# Altium PCB CCZynq.PcbDoc (part 1 of 5) (continued)
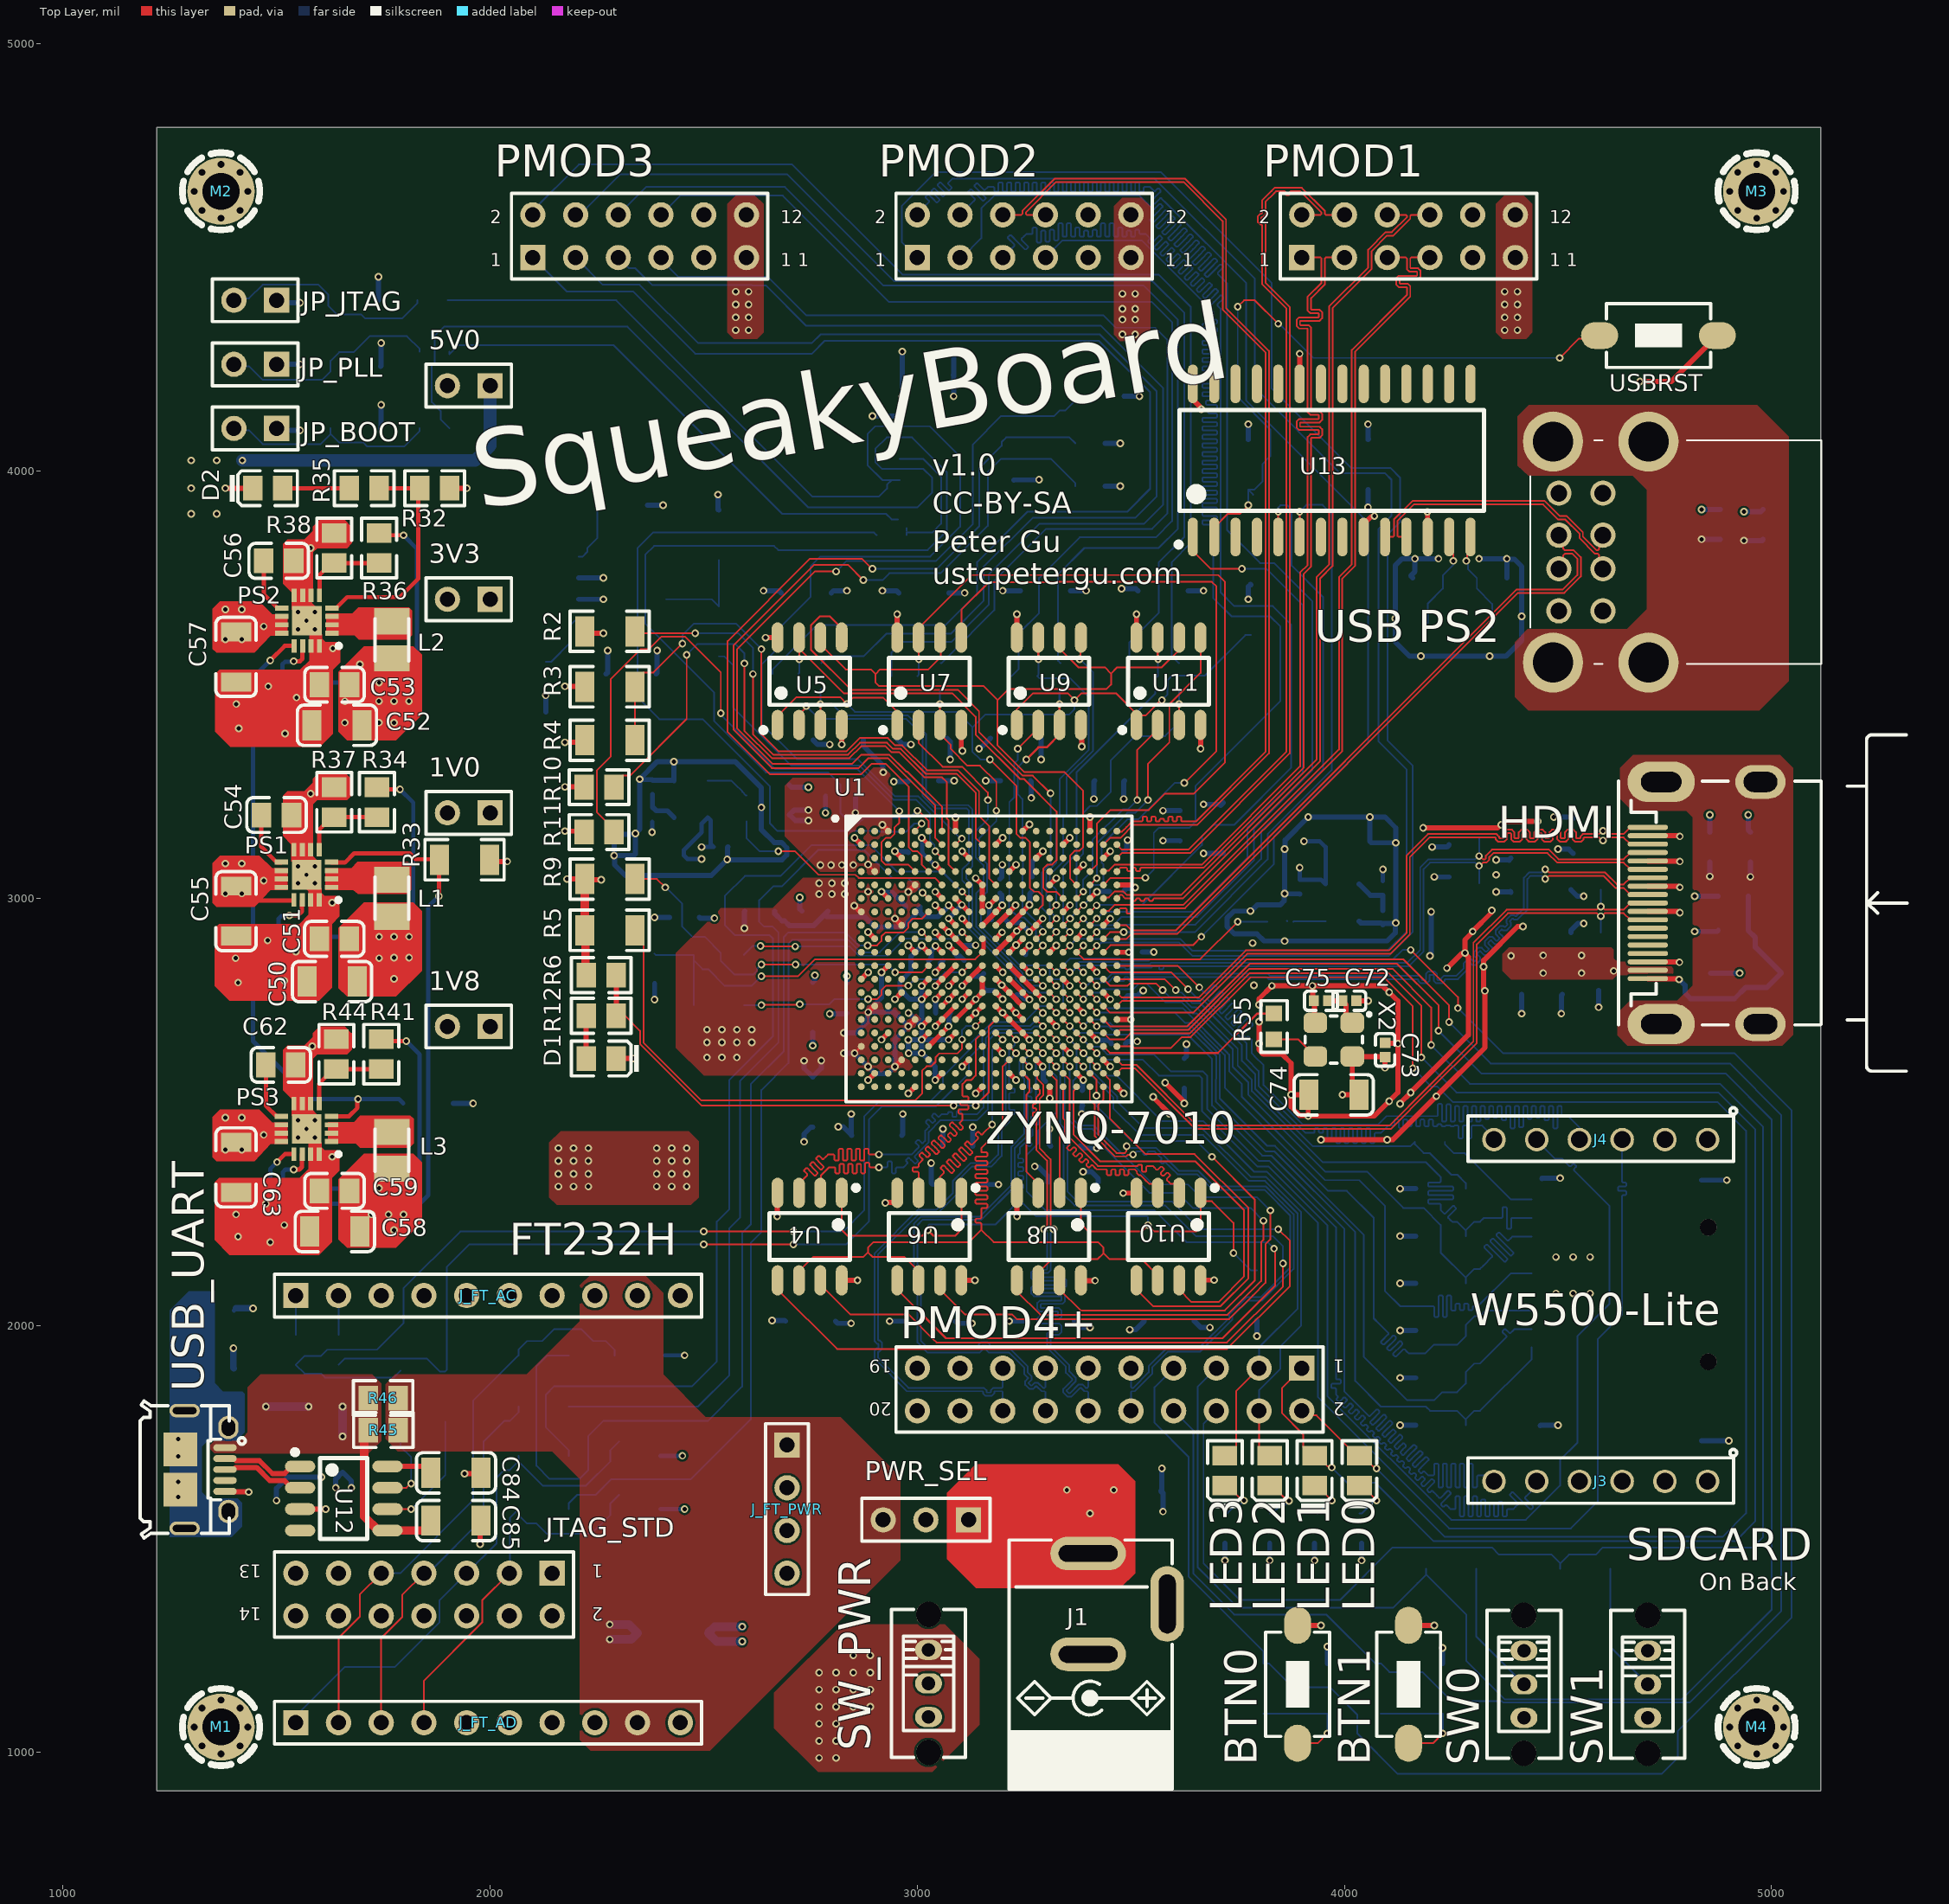
[diagram p0: Top Layer view]
## Footprints (in the part's own frame and the unit in brackets; to place one, negate y for a bottom-side part, rotate by r counter-clockwise, add the part's x,y. Pads: shape width x height; smd on the part's side, far side on the other; paste and mask are expansions set on the pad) (continued)
  silkscreen extent -365,-335 335,335, body extent -335,-335 335,335, height 63
HDMI_A [mm] "CONN, HDMI, TYPE A, 19PIN"
  oval 0.3x2.4 smd mask+0.025: 1(-4.5,0) 2(-4,0) 3(-3.5,0) 4(-3,0) 5(-2.5,0) 6(-2,0) 7(-1.5,0) 8(-1,0) 9(-0.5,0) 10(0,0) 11(0.5,0) 12(1,0) 13(1.5,0) 14(2,0) 15(2.5,0) 16(3,0) 17(3.5,0) 18(4,0) 19(4.5,0)
  oval 2.4x4 hole 1.2 slot 2.4 at 90 deg: SH1(-7.2,0.8) SH2(7.2,0.8)
  oval 2x3 hole 1.2 slot 2 at 90 deg: SH3(-7.2,6.7) SH4(7.2,6.7)
  silkscreen extent -10,-1.74 10,15.41, body extent -7.5,-0.75 7.5,11.4, height 6.17
HDR1X2 [mm] "Connector; Header; 2 Position"
  rect 1.5x1.5 hole 0.9: 1(0,0)
  round 1.5 hole 0.9: 2(2.54,0)
  silkscreen extent -1.27,-1.27 3.81,1.27
HDR1X3 [mm] "Connector; Header; 3 Position"
  rect 1.5x1.5 hole 0.9: 1(0,0)
  round 1.5 hole 0.9: 2(2.54,0) 3(5.08,0)
  silkscreen extent -1.27,-1.27 6.35,1.27
HDR1X4 [mm] "Connector; Header; 4 Position"
  rect 1.5x1.5 hole 0.9: 1(0,0)
  round 1.5 hole 0.9: 2(2.54,0) 3(5.08,0) 4(7.62,0)
  silkscreen extent -1.27,-1.27 8.89,1.27
HDR1X10 [mm] "Connector; Header; 10 Position"
  rect 1.5x1.5 hole 0.9: 1(0,0)
  round 1.5 hole 0.9: 2(2.54,0) 3(5.08,0) 4(7.62,0) 5(10.16,0) 6(12.7,0) 7(15.24,0) 8(17.78,0) 9(20.32,0) 10(22.86,0)
  silkscreen extent -1.27,-1.27 24.13,1.27
HDR2X6 [mm] "Connector; Header; 6x2 Position"
  rect 1.5x1.5 hole 0.9: 1(0,0)
  round 1.5 hole 0.9: 2(0,2.54) 3(2.54,0) 4(2.54,2.54) 5(5.08,0) 6(5.08,2.54) 7(7.62,0) 8(7.62,2.54) 9(10.16,0) 10(10.16,2.54) 11(12.7,0) 12(12.7,2.54)
  silkscreen extent -1.27,-1.27 13.97,3.81
HDR2X7 [mm] "Connector; Header; 7x2 Position"
  rect 1.5x1.5 hole 0.9: 1(0,0)
  round 1.5 hole 0.9: 2(0,2.54) 3(2.54,0) 4(2.54,2.54) 5(5.08,0) 6(5.08,2.54) 7(7.62,0) 8(7.62,2.54) 9(10.16,0) 10(10.16,2.54) 11(12.7,0) 12(12.7,2.54) 13(15.24,0) 14(15.24,2.54)
  silkscreen extent -1.27,-1.27 16.51,3.81
HDR2X10 [mm] "Connector; Header; 10x2 Position"
  rect 1.5x1.5 hole 0.9: 1(0,0)
  round 1.5 hole 0.9: 2(0,2.54) 3(2.54,0) 4(2.54,2.54) 5(5.08,0) 6(5.08,2.54) 7(7.62,0) 8(7.62,2.54) 9(10.16,0) 10(10.16,2.54) 11(12.7,0) 12(12.7,2.54) 13(15.24,0) 14(15.24,2.54) 15(17.78,0) 16(17.78,2.54) 17(20.32,0) 18(20.32,2.54) 19(22.86,0) 20(22.86,2.54)
  silkscreen extent -1.27,-1.27 24.13,3.81
HDR_F_1X6 [mm] "HEADER FEMALE pitch: 2.54mm"
  round 1.4 / inner round 1.4 / far side oval 1.4x2.2 hole 1 mask+0.1: 1(-6.35,0) 2(-3.81,0) 3(-1.27,0) 4(1.27,0) 5(3.81,0) 6(6.35,0)
  silkscreen extent -8.08,-1.9 7.9,1.3, body extent -7.74,-1.3 7.75,1.2, height 8.5
INDPM2520X120N [mm]
  rect 1.55x2.1 smd: 1(-1.1,0) 2(1.1,0)
  silkscreen extent -1.25,-1 1.25,1, body extent -1.25,-1 1.25,1, height 1.2
JAC_PWR2MM [mm] "Power Jack KLDX-0202"
  oval 4.5x2 hole 1 slot 3.5 at 0 deg: 1(0,0) 2(0,6)
  oval 2x4.5 hole 1 slot 3.5 at 90 deg: 3(-4.7,3)
  silkscreen extent -5,-0.8 4.7,14, body extent -4.9,-0.65 4.5,13.85, height 10.8
QFN50P300X300X100-17N-D [mm]
  rect 0.8x0.3 smd: 1(-1.5,0.75) 2(-1.5,0.25) 3(-1.5,-0.25) 4(-1.5,-0.75) 9(1.5,-0.75) 10(1.5,-0.25) 11(1.5,0.25) 12(1.5,0.75)
  rect 0.3x0.8 smd: 5(-0.75,-1.5) 6(-0.25,-1.5) 7(0.25,-1.5) 8(0.75,-1.5) 13(0.75,1.5) 14(0.25,1.5) 15(-0.25,1.5) 16(-0.75,1.5)
  rect 1.75x1.75 smd: 17(0,0)
  silkscreen extent -2.02,1.38 -1.78,1.62, body extent -1.55,-1.55 1.55,1.55, height 1
SCMH_M2 [mm] "SCREW mouting, M2, 2.0mm diameter and 4.0mm PanHead"
  round 4 / inner round 2.5 / far side round 4 hole 2.2 mask+0.1: 1(0,0)
  Top Layer pour cut-out: 0,2.5 -0.957,2.31 -1.768,1.768 -2.31,0.957 -2.5,0 -2.5,0 -2.31,-0.957 -1.768,-1.768 -0.957,-2.31 0,-2.5 0,-2.5 1.25,-2.165 2.165,-1.25 2.5,0 2.5,0 2.31,0.957 1.768,1.768 0.957,2.31 0,2.5
  Bottom Layer pour cut-out: 0,2.5 -0.957,2.31 -1.768,1.768 -2.31,0.957 -2.5,0 -2.5,0 -2.31,-0.957 -1.768,-1.768 -0.957,-2.31 0,-2.5 0,-2.5 1.25,-2.165 2.165,-1.25 2.5,0 2.5,0 2.31,0.957 1.768,1.768 0.957,2.31 0,2.5
  silkscreen extent -2.3,-2.3 2.3,2.3
SDMICRO_AT [mm] "SDMICRO exist on Iran, Attend 112J-TDAR-R01, push-push"
  oval 0.7x1.6 smd: 1(-2.2,-5.25) 2(-1.1,-5.25) 3(0,-5.25) 4(1.1,-5.25) 5(2.2,-5.25) 6(3.3,-5.25) 7(4.4,-5.25) 8(5.5,-5.25) 9(6.6,-5.25)
  rect 1.2x1.4 smd: SH1(7.85,-4.65)
  rect 1.2x2.2 smd: SH2(7.75,4.85) SH3(-7.75,4.85)
  rect 1.6x1.2 smd: SH4(-6.85,-4.75)
  round 1 hole 1 unplated: ""(-3.05,5.25) ""(4.95,5.25)
  silkscreen extent -7.3,-5.3 7.5,15.52, body extent -8,-5.7 8.1,13.82, height 1.85
SMA(DO-214AC)_S1 [mm]
  rect 2x2 smd: 1(2.1,0) 2(-2.1,0)
  silkscreen extent -2.35,-1.5 2.35,1.5
SMD-5032_2P [mm]
  rect 1.9x2.4 smd: 1(-2.05,0) 2(2.05,0)
  silkscreen extent -3.33,-1.6 3.33,1.6
SOIC-8_150mil [mm]
  oval 0.7x1.8 smd: 1(-1.905,-2.6) 2(-0.635,-2.6) 3(0.635,-2.6) 4(1.905,-2.6) 5(1.905,2.6) 6(0.635,2.6) 7(-0.635,2.6) 8(-1.905,2.6)
  silkscreen extent -2.9,-3.05 2.4,1.4
SOIC-8_208mil [mm]
  oval 0.7x2.2 smd: 1(-1.905,-3.4) 2(-0.635,-3.4) 3(0.635,-3.4) 4(1.905,-3.4) 5(1.905,3.4) 6(0.635,3.4) 7(-0.635,3.4) 8(-1.905,3.4)
  silkscreen extent -2.95,-3.9 2.5,1.9
SOIC-28_300mil [mm]
  oval 0.6x2.3 smd: 1(-8.255,-4.55) 2(-6.985,-4.55) 3(-5.715,-4.55) 4(-4.445,-4.55) 5(-3.175,-4.55) 6(-1.905,-4.55) 7(-0.635,-4.55) 8(0.635,-4.55) 9(1.905,-4.55) 10(3.175,-4.55) 11(4.445,-4.55) 12(5.715,-4.55) 13(6.985,-4.55) 14(8.255,-4.55) 15(8.255,4.55) 16(6.985,4.55) 17(5.715,4.55) 18(4.445,4.55) 19(3.175,4.55) 20(1.905,4.55) 21(0.635,4.55) 22(-0.635,4.55) 23(-1.905,4.55) 24(-3.175,4.55) 25(-4.445,4.55) 26(-5.715,4.55) 27(-6.985,4.55) 28(-8.255,4.55)
  silkscreen extent -9.25,-5.15 9.05,3
SWPBS_SPST_6X3X5 [mm] "SWITCH, PUSHBUTTON, SMD, SPST, 6X3.5mm, SKQMBBE010, 50000 Cycles, 1.57N Force"
  oval 2.2x1.6 smd mask+0.1: 1(-3.5,0) 2(3.5,0)
  silkscreen extent -3.1,-1.9 3.1,1.9, body extent -3.65,-1.75 3.65,1.75, height 5
SWSLIDT_SPDT_S_8X4 [mm] "Switch, Slide, SPDT, Straight, THD, 8.6X4.3mm"
  oval 1.2x1.6 hole 0.8: 1(-2,0) 2(0,0) 3(2,0)
  round 1.5 hole 1.5 unplated: ""(-4.1,0) ""(4.1,0)
  silkscreen extent -4.4,-2.2 4.4,2.2, body extent -4.3,-2.15 4.3,2.15, height 8.8
USB_MICRO_B_BM_SHT1 [mm] "CONN, USB Micro AB - Standard (Bottom mount), Shell through hole"
  oval 0.4x1.4 smd: 1(1.3,-1.2) 2(0.65,-1.2) 3(0,-1.2) 4(-0.65,-1.2) 5(-1.3,-1.2)
  oval 0.8x1.8 hole 0.4 slot 1.4 at 90 deg: SH2(-3.5,1.2) SH5(3.5,1.2)
  rect 2x2 smd: SH3(-1.2,1.45) SH4(1.2,1.45)
  oval 1.4x1.2 hole 0.8 slot 1 at 0 deg mask+0.05: SH7(-2.5,-1.4) SH8(2.5,-1.4)
  silkscreen extent -4.08,-2.4 4.08,3.85, body extent -4.1,-1.65 4.1,3.78, height 2.68
XTL_4_3225 [mm] "CRYSTAL OSCILATOR 3.2X2.5mm, ABM8, CDFN-4"
  rrect50% 1.2x1.4 smd: 1(-1,1.1) 2(-1,-1.1) 3(1,-1.1) 4(1,1.1)
  Top Layer pour cut-out: -1.6,1.8 -1.6,-1.8 1.6,-1.8 1.6,1.8
  silkscreen extent -1.6,-1.7 1.4,2.2, body extent -1.25,-1.6 1.25,1.6, height 0.61

## Part data
1V0 1V8 3V3 5V0 JP_BOOT JP_JTAG JP_PLL: "Header, 2-Pin", LatestRevisionDate=17-Jul-2002, LatestRevisionNote="Re-released for DXP Platform.", Publisher="Altium Limited"
BTN0 BTN1 USBRST: library part SWPBS_SPST_6X3X4, "SWITCH, PUSH BUTTON, TACTILE, SMD, SPST, 6X3.5X4.3mm", ASSEMBLY=ASSEMBLY, DESC=DESCRIPTION, MANF=Panasonic, MANF_P#=EVQ-PNF04M, PARAM=PARAM, PRICE=PRICE
C1 C11 C12 C19 C20 C25 C26 C27 C40 C55 C57 C60 C63: library part "1206 10uF (106) 10% 50V", "贴片电容", Package=1206, SuppliersPartNumber=C13585, ComponentLink1Description=供应, ComponentLink1URL=http://www.szlcsc.com/product/details_14236.html, Supplier=LC
C2 C3 C10 C13 C18 C21 C24 C28 C29 C38 C39: library part "0805 4.7uF (475) 10% 25V", "贴片电容", Package=0805, SuppliersPartNumber=C1779, ComponentLink1Description=供应, ComponentLink1URL=http://www.szlcsc.com/product/details_2131.html, Supplier=LC
C4 C5 C6 C7 C9 C14 C15 C16 C17 C22 C23 C30 C31 C32 C33 C34 C35 C36 C37 C41 C43 C44 C46 C72 C73 C75 C76 C77 C79: library part "0402 470nF (474) 10% 10V", "贴片电容", Package=0402, SuppliersPartNumber=C47339, ComponentLink1Description=供应, ComponentLink1URL=http://www.szlcsc.com/product/details_48344.html, Supplier=LC
C8 C45 C47 C48 C49 C50 C52 C58 C64 C65 C66 C67 C68 C69 C70 C71 C74 C78 C84 C85 C88 C89: library part "1206 100nF (104) 10% 50V", "贴片电容", Package=1206, SuppliersPartNumber=C24497, ComponentLink1Description=供应, ComponentLink1URL=http://www.szlcsc.com/product/details_25237.html, Supplier=LC
C42 C82: library part "0603 10uF (106) 10% 10V", "贴片电容", Package=0603, SuppliersPartNumber=C19702, ComponentLink1Description=供应, ComponentLink1URL=http://www.szlcsc.com/product/details_20411.html, Supplier=LC
C51 C53 C59: library part "0805 22uF (226) 20% 25V", "贴片电容", Package=0805, SuppliersPartNumber=C45783, ComponentLink1Description=供应, ComponentLink1URL=http://www.szlcsc.com/product/details_46786.html, Supplier=LC
C54 C56 C62: library part "0805 3.3nF (332) 10% 50V", "贴片电容", Package=0805, SuppliersPartNumber=C53175, ComponentLink1Description=供应, ComponentLink1URL=http://www.szlcsc.com/product/details_54191.html, Supplier=LC
C61 C80 C81 C83: library part "0805 1nF (102) 10% 50V", "贴片电容", Package=0805, SuppliersPartNumber=C51210, ComponentLink1Description=供应, ComponentLink1URL=http://www.szlcsc.com/product/details_52223.html, Supplier=LC
C86 C87: library part "0805 20pF (200) 5% 50V", "贴片电容", Package=0805, SuppliersPartNumber=C1798, ComponentLink1Description=供应, ComponentLink1URL=http://www.szlcsc.com/product/details_2150.html, Supplier=LC
D1 D2 LED0 LED1 LED2 LED3: library part "0805 翠绿", "发光二极管", Package=0805, SuppliersPartNumber=C2297, ComponentLink1Description=供应, ComponentLink1URL=http://www.szlcsc.com/product/details_2670.html, Supplier=LC
D3 D4 D5 D10: library part "SMA(DO-214AC) SS210", "二极管 TVS", Package=SMA(DO-214AC), SuppliersPartNumber=C14996, ComponentLink1Description=供应, ComponentLink1URL=http://www.szlcsc.com/product/details_15669.html, Supplier=LC
FB1 FB2 FB3: library part "0805 600Ω 25% 100MHz", "贴片磁珠", Package=0805, SuppliersPartNumber=C1017, ComponentLink1Description=供应, ComponentLink1URL=http://www.szlcsc.com/product/details_1369.html, Supplier=LC
HDMI: library part CONN_HDMI_A, "CONN, HDMI, Receptacle, TYPE A, 19P, RIGH-ANGLE", MANF="Molex, WURTH", MANF_P#="47151-0001, 500254-1927, 685119134923", PARAM="Receptacle, 19P, RIGH-ANGLE", PRICE=2.57$
J1: library part CONN_PWR_JACK2MM, "CONN, PWR JACK DC, PLUG DIAM 2.0MM RA THD", MANF="CUI STACK", MANF_P#="PJ-202A, PJ-002AH, PJ-102AH, KLDX-0202"
J2: library part SOCKET_SDMICRO_AT, "SD MICRO exist in Iran, Attend 112J-TDAR-R01", MANF=Attend, MANF_P#=112J-TDAR-R01
J3 J4: library part HDR_F_1X6, "CONN, HEADER, Female, pitch: 2.54mm, 6POS"
J_FT_AC J_FT_AD: library part "Header 10", "Header, 10-Pin", LatestRevisionDate=17-Jul-2002, LatestRevisionNote="Re-released for DXP Platform.", Publisher="Altium Limited"
J_FT_PWR: library part "Header 4", "Header, 4-Pin", LatestRevisionDate=17-Jul-2002, LatestRevisionNote="Re-released for DXP Platform.", Publisher="Altium Limited"
JTAG_STD: library part "Header 7X2", "Header, 7-Pin, Dual row", LatestRevisionDate=17-Jul-2002, LatestRevisionNote="Re-released for DXP Platform.", Publisher="Altium Limited"
L1 L2 L3: "Inductor", Manufacturer_Name=Sumida, Manufacturer_Part_Number=252012CDMCDS‐2R2MC, Datasheet Link=https://products.sumida.com/products/pdf/252012CDMCDDS%20(en).pdf, Height=1.2mm
M1 M2 M3 M4: library part SCMH_M2, "SCREW mouting, M2, 2.0mm diameter and 4.0mm PanHead", ASSEMBLY=DNP
PMOD1 PMOD2 PMOD3: "Header, 6-Pin, Dual row", LatestRevisionDate=17-Jul-2002, LatestRevisionNote="Re-released for DXP Platform.", Publisher="Altium Limited"
PMOD4+: "Header, 10-Pin, Dual row", LatestRevisionDate=17-Jul-2002, LatestRevisionNote="Re-released for DXP Platform.", Publisher="Altium Limited"
PS1 PS2 PS3: "Power Supply", Manufacturer_Name="Texas Instruments", Mouser Part Number=595-TLV62130RGTR, Arrow Part Number=TLV62130RGTR, Arrow Price/Stock=https://www.arrow.com/en/products/tlv62130rgtr/texas-instruments, Datasheet Link=http://www.ti.com/lit/gpn/tlv62130, Height=1mm, Manufacturer_Part_Number=TLV62130RGTR, Mouser Price/Stock=https://www.mouser.co.uk/ProductDetail/Texas-Instruments/TLV62130RGTR?qs=2UFnnMkojnVB1OajUwDmow%3D%3D
PWR_SEL: library part "Header 3", "Header, 3-Pin", LatestRevisionDate=17-Jul-2002, LatestRevisionNote="Re-released for DXP Platform.", Publisher="Altium Limited"
R1 R55 R59: library part "0603 33Ω (33R0) 1%", "贴片电阻", Package=0603, SuppliersPartNumber=C23140, ComponentLink1Description=供应, ComponentLink1URL=http://www.szlcsc.com/product/details_23867.html, Supplier=LC
R2 R3 R4 R31 R60 R61 R62 R63 R64: library part "1206 100KΩ (1003) 1%", "贴片电阻", Package=1206, SuppliersPartNumber=C17900, ComponentLink1Description=供应, ComponentLink1URL=http://www.szlcsc.com/product/details_18588.html, Supplier=LC
R5 R9 R16 R17 R18 R27: library part "1206 4.7KΩ (4701) 1%", "贴片电阻", Package=1206, SuppliersPartNumber=C17936, ComponentLink1Description=供应, ComponentLink1URL=http://www.szlcsc.com/product/details_18624.html, Supplier=LC
R6 R12 R32 R35 R75 R76 R77 R78: library part "0805 330Ω (3300) 1%", "贴片电阻", Package=0805, SuppliersPartNumber=C17630, ComponentLink1Description=供应, ComponentLink1URL=http://www.szlcsc.com/product/details_18318.html, Supplier=LC
R7 R8 R10 R11 R14 R19 R22 R37: library part "0805 20KΩ (2002) 1%", "贴片电阻", Package=0805, SuppliersPartNumber=C4328, ComponentLink1Description=供应, ComponentLink1URL=http://www.szlcsc.com/product/details_4735.html, Supplier=LC
R13 R67 R79 R80 R81 R82 R83 R84 R85 R86: library part "0805 47Ω (47R0) 1%", "贴片电阻", Package=0805, SuppliersPartNumber=C17714, ComponentLink1Description=供应, ComponentLink1URL=http://www.szlcsc.com/product/details_18402.html, Supplier=LC
R15 R20 R23: library part "1206 1KΩ (1001) 1%", "贴片电阻", Package=1206, SuppliersPartNumber=C4410, ComponentLink1Description=供应, ComponentLink1URL=http://www.szlcsc.com/product/details_4817.html, Supplier=LC
R21 R24 R25 R26 R30 R65 R68: library part "1206 22Ω (22R0) 1%", "贴片电阻", Package=1206, SuppliersPartNumber=C17958, ComponentLink1Description=供应, ComponentLink1URL=http://www.szlcsc.com/product/details_18646.html, Supplier=LC
R28 R29 R33 R39 R47 R48 R66 R69 R70 R71 R72 R73 R74: library part "1206 10KΩ (1002) 1%", "贴片电阻", Package=1206, SuppliersPartNumber=C17902, ComponentLink1Description=供应, ComponentLink1URL=http://www.szlcsc.com/product/details_18590.html, Supplier=LC
R34: library part "0805 4.99KΩ (4991) 1%", "贴片电阻", Package=0805, SuppliersPartNumber=C17677, ComponentLink1Description=供应, ComponentLink1URL=http://www.szlcsc.com/product/details_18365.html, Supplier=LC
R36: library part "0805 56KΩ (5602) 1%", "贴片电阻 56.2k", Package=0805, SuppliersPartNumber=C17756, ComponentLink1Description=供应, ComponentLink1URL=http://www.szlcsc.com/product/details_18444.html, Supplier=LC
R38: library part "0805 18KΩ (1802) 1%", "贴片电阻", Package=0805, SuppliersPartNumber=C17506, ComponentLink1Description=供应, ComponentLink1URL=http://www.szlcsc.com/product/details_18194.html, Supplier=LC
R40 R49 R87 R88 R89: library part "0805 1MΩ (1004) 1%", "贴片电阻", Package=0805, SuppliersPartNumber=C17514, ComponentLink1Description=供应, ComponentLink1URL=http://www.szlcsc.com/product/details_18202.html, Supplier=LC
R41: library part "0805 18KΩ (1802) 1%", "贴片电阻 18.7k", Package=0805, SuppliersPartNumber=C17506, ComponentLink1Description=供应, ComponentLink1URL=http://www.szlcsc.com/product/details_18194.html, Supplier=LC
R42 R43 R45 R46: library part "0805 0Ω (0R0) 1%", "贴片电阻", Package=0805, SuppliersPartNumber=C17477, ComponentLink1Description=供应, ComponentLink1URL=http://www.szlcsc.com/product/details_18165.html, Supplier=LC
R44: library part "0805 15KΩ (1502) 1%", "贴片电阻", Package=0805, SuppliersPartNumber=C17475, ComponentLink1Description=供应, ComponentLink1URL=http://www.szlcsc.com/product/details_18163.html, Supplier=LC
R50 R51 R52 R53 R54 R56 R57 R58: library part "0603 0Ω (0R0) 1%", "贴片电阻", Package=0603, SuppliersPartNumber=C21189, ComponentLink1Description=供应, ComponentLink1URL=http://www.szlcsc.com/product/details_21903.html, Supplier=LC
SW0 SW1 SW_PWR: library part SWSLIDT_SPDT_S_8X4, "SWITCH, SLIDE, SPDT, 8.6X4.3mm, THD", ASSEMBLY=ASSEMBLY, DESC=DESCRIPTION, MANF=C&K, MANF_PART#=OS102011MS2QN1, PARAM=PARAM, PRICE=0.4$
U1: "667 MHz Zynq?7000 AP SoC, 130 PS I/O, 100 FPGA I/O, 400-Ball BGA, Speed Grade 1, Industrial Grade, Pb-Free", Generic Part Number=XC7Z010, Manufacturer=Xilinx, Code_JEDEC=MO-275-MMAA-1, ComponentLink1Description=Datasheet, ComponentLink1URL=http://www.xilinx.com/support/documentation/data_sheets/ds190-Zynq-7000-Overview.pdf, ComponentLink2Description="Package Specification", ComponentLink2URL=http://www.xilinx.com/support/documentation/user_guides/ug865-Zynq-7000-Pkg-Pinout.pdf, ComponentLink3Description="DC and AC Switching Characteristics", ComponentLink3URL=http://www.xilinx.com/support/documentation/data_sheets/ds187-XC7Z010-XC7Z020-Data-Sheet.pdf, ComponentLink4Description="Package File", ComponentLink4URL=http://www.xilinx.com/support/packagefiles/z7packages/xc7z010clg400pkg.txt, ComponentLink5Description="Packaging and Pinout", ComponentLink5URL=http://www.xilinx.com/support/documentation/user_guides/ug865-Zynq-7000-Pkg-Pinout.pdf, ComponentLink6Description="PCB and Layout Guide", ComponentLink6URL=http://www.xilinx.com/support/documentation/user_guides/ug483_7Series_PCB.pdf, DatasheetVersion=v1.2, Extensible Block RAM (# 36Kb Blocks)="240 KB (60)", Flip Flops=35200, LUTs=17600, Mounting Technology="Surface Mount", PackageDescription="Wire-Bond Chip-Scale BGA, Body 17 x 17 mm, 0.8 mm Pitch", PackageReference=CLG400, PackageVersion="Rev 1.1", PartNumber=XC7Z010-1CLG400I, RoHS=Pb-Free, Speed Grade=-1
U2: library part W25Q128JVSIQTR_[C97521], "Flash ROM", Package=SOIC-8, SuppliersPartNumber=C97521, ComponentLink1Description=供应, ComponentLink1URL=https://item.szlcsc.com/98729.html, Supplier=LC
U3: library part EEPROM/AT24C256C-SSHL-T_[C6482], "MCU  Supervisor, 150mil SOP-8", Package=SOIC-8_150mil, SuppliersPartNumber=C6482, ComponentLink1Description=供应, ComponentLink1URL=http://www.szlcsc.com/product/details_6947.html, Supplier=LC
U4 U5 U6 U7 U8 U9 U10 U11 U12: library part EEPROM/AT24C256C-SSHL-T_[C6482], "PSRAM, 150mil SOP-8", Package=SOIC-8_150mil, SuppliersPartNumber=C6482, ComponentLink1Description=供应, ComponentLink1URL=http://www.szlcsc.com/product/details_6947.html, Supplier=LC
U13: library part CH376S_[C14166], "USB", Package=SOIC-28_300mil, SuppliersPartNumber=C14166, ComponentLink1Description=供应, ComponentLink1URL=http://www.szlcsc.com/product/details_14823.html, Supplier=LC
"USB PS2": library part 0672983090, "Connector", Manufacturer_Name=Molex, Mouser Part Number=N/A, Arrow Part Number=0672983090, Arrow Price/Stock=https://www.arrow.com/en/products/0672983090/molex, Datasheet Link=https://componentsearchengine.com/Datasheets/1/0672983090.pdf, Height=15.59mm, Manufacturer_Part_Number=0672983090, Mouser Price/Stock=https://www.mouser.co.uk/ProductDetail/Molex/0672983090?qs=PBcRNPEHKspNkRSIiHq%2Fdg%3D%3D
USB_UART: library part CONN_USB_MICRO_B_BM_SHT1, "CONN, USB, MICRO B, R/A, SMD, BOTTOM MOUNT, SHT", MANF=MOLEX, MANF_P#=47590-0001
X1 X2 X3: library part XTL_4_40MHz_3225A, "CRYSTAL 40.00 MHZ 4pF, 10PPM", ASSEMBLY=ASSEMBLY, DESC=X1E000021036701, DIST#=MOUSER, MANF=ABRACON, MANF_P#=ABM8W-40.0000MHZ-4-B1U-T3, PARAM="10PPM, -20~70oC", PARAM2="4pF, 40OhmESR", PRICE=0.6$
Y1: library part "SMD-5032_2P 11.0592MHZ 20PF 20PPM", "贴片晶振", Package=SMD-5032_2P, SuppliersPartNumber=C52026, ComponentLink1Description=供应, ComponentLink1URL=http://www.szlcsc.com/product/details_53039.html, Supplier=LC

## Via types
v1: diameter 17.72, hole 10, Top Layer to Bottom Layer, tented both sides, 747 vias
v2: diameter 23.62, hole 15.75, Top Layer to Bottom Layer, tented both sides, 32 vias

## Nets (pads, with @x,y where several pads share a name; then routed paths per layer and width w, separated by ;. In a path a pad name is that pad's centre, name@x,y a point inside that pad or via, vN(x,y) a via of type N, cw(c..) or ccw(c..) an arc to the next point about the centre after c; other vN are vias at no path point)
1V0_PG: PS1.4 PS3.13 R33.2 | length 1574.3
  Top Layer w10: v1(1501.1,2382.5) 1519.55,2400.94 PS3.13@1540.47,2400.94 ; PS1.4@1629.05,3083.58 1659.97,3083.58 1681.38,3105 1811.38,3105 1825,3091.38 1864.95,3091.38 R33.2@1876.34,3080 ; v1(1880,3005) 1880,3088.66 R33.2@1881.34,3090
  Bottom Layer w10: v1(1501.1,2382.5) 1485,2366.4 1485,2315 1515,2285 1835,2285 1855,2305 1855,2980 v1(1880,3005)
1V8_PG: PS2.13 PS3.4 R39.2 | length 1479.6
  Top Layer w10: v1(1485,3556.69) 1519.25,3590.94 PS2.13@1541.42,3590.94 ; PS3.4@1629.06,2489.53 1669.53,2489.53 1689.22,2509.22 1689.22,2528.52 v1(1690.69,2530)
  Bottom Layer w10: v1(1485,3556.69) 1445,3516.69 1445,2665.59 1580.59,2530 v1(1690.69,2530) 1786.34,2530 R39.2@1796.34,2520
3V3_PG: PS2.4 R32.1 R35.2 | length 559.8
  Top Layer w10: PS2.4@1630,3679.53 1639.84,3679.53 1665.31,3705 1788.76,3705 1832.13,3748.36 R32.1@1832.13,3942.16 ; R35.2@1750.04,3960.04 1834.92,3960.04 R32.1@1834.96,3960 ; R32.1@1832.13,3942.16 1849.96,3960 1842.46,3952.5 R32.1@1832.13,3942.16
B21: PMOD3.3 R50.2 | length 2746.3
  Bottom Layer w4: PMOD3.3@2200,4500 2200.24,4500 2263.71,4436.53 2350,4436.53 2486.53,4300 2753.37,4300 2773.37,4320 3427.53,4320 3560,4187.53 3560,3940.39 3510.31,3890.71 3270.15,3890.71 3155,3775.56 3155,3695.98 3078.52,3619.5 2927.47,3619.5 2874.59,3566.62 2791.31,3566.62 R50.2@2775,3550.32
B22: PMOD3.7 R51.2 | length 2390.2
  Bottom Layer w4: PMOD3.7@2400,4500 2400,4495 2440,4455 2649.58,4455 2739.58,4365 3435,4365 3464.14,4335.86 3556.81,4335.86 3585.04,4307.64 3585.04,3900.5 3549.54,3865 3301.86,3865 3180,3743.14 3180,3674.33 3072.29,3566.62 3055.98,3550.32 R51.2@3055,3550.32
B23: PMOD3.6 R52.2 | length 2489.9
  Bottom Layer w4: PMOD3.6@2300,4600 2365,4665 2690,4665 2920,4435 3529.53,4435 3610,4354.53 3610,3865.47 3564.53,3820 3391.08,3820 3329.41,3758.33 3329.41,3555.9 R52.2@3335,3550.32
B24: PMOD3.2 R53.2 | length 2593.6
  Bottom Layer w4: PMOD3.2@2100,4600 2100,4610.24 2207.75,4717.99 2707.01,4717.99 2965,4460 3565,4460 3640,4385 3640,3831.34 3595.71,3787.05 3595.71,3566.62 3612.02,3550.32 R53.2@3613,3550.32
B31: PMOD3.1 R54.2 | length 2939.4
  Bottom Layer w4: PMOD3.1@2100,4500 2180,4420 2335,4420 2480,4275 2753.37,4275 2783.37,4305 3424.87,4305 3545,4184.87 3545,3958.66 3491.34,3905 3257.51,3905 3140,3787.49 3140,3713.75 3066.25,3640 2766.02,3640 2660.71,3534.69 R54.2@2660.71,3525
B32: PMOD3.5 R56.2 | length 2550.8
  Bottom Layer w4: PMOD3.5@2300,4500 2300.24,4500 2325.24,4475 2340,4475 2379.14,4435.86 2611.57,4435.86 2612.43,4435 2645,4435 2740,4340 3429.87,4340 3575,4194.87 3575,3920.86 3531.23,3877.09 3286.31,3877.09 3167.66,3758.43 3167.66,3687.59 3080.07,3600 2964.1,3600 2939.68,3575.58 R56.2@2939.68,3520
B33: PMOD3.8 R57.2 | length 2426.6
  Bottom Layer w4: PMOD3.8@2400,4600 2400,4600.24 2444.76,4645 2685,4645 2934.14,4395.86 3549.14,4395.86 3596.34,4348.66 3596.34,3883.14 3558.21,3845 3380,3845 3285,3750 3285,3667.79 3236.72,3619.5 3236.72,3536.31 R57.2@3220.41,3520
B34: PMOD3.4 R58.2 | length 2507.1
  Bottom Layer w4: PMOD3.4@2200,4600 2210,4610 2219.85,4610 2304.85,4695 2695,4695 2945,4445 3550,4445 3625,4370 3625,3846.34 3565,3786.34 3565,3667.79 3496.73,3599.51 R58.2@3496.73,3515
BTN0: PMOD4+.7 R69.2 U1.L15 | length 5501.8
  Top Layer w4: U1.L15@3309.73,2842.25 3309.73,2842.14 3325.36,2826.5 v1(3325.71,2826.5) ; v1(4155,2879.05) 4265.45,2768.61 v1(4265.45,2743)
  Bottom Layer w4: v1(3325.71,2826.5) 3325.71,2826.97 3358.13,2859.39 3473.12,2859.39 3478.56,2853.95 3541.44,2853.95 3544.5,2857 4113.83,2857 4135.89,2879.05 v1(4155,2879.05) ; PMOD4+.7@3600.47,1900.47 PMOD4+.7@3600,1900 3555.15,1855.15 3555.15,1772.42 3635,1692.58 3635,1412.43 3810,1237.43 R69.2@3810,1208.66 3823.19,1208.66 3879.4,1152.45 3966.47,1152.45 4030,1088.92 4030,1045 4125,950 4742.66,950 4780,987.34 4780,1050 5046.84,1316.84 5046.84,2503.16 4912.36,2637.64 4370.8,2637.64 v1(4265.45,2743)
BTN1: PMOD4+.8 R70.2 U1.P19 | length 4970.5
  Top Layer w4: U1.P19@3435.72,2747.76 3450.72,2732.76 3461,2732.76 3646.31,2732.76 3770.81,2857.26 4137.33,2857.26 4244.96,2749.63 v1(4244.96,2710)
  Bottom Layer w4: PMOD4+.8@3600,1800 3646.32,1753.68 3646.32,1418.68 3741.58,1323.42 3957.06,1323.42 4071.81,1208.66 R70.2@4085,1208.66 4105.24,1188.42 4182.66,1188.42 4250.49,1120.59 4368.1,1120.59 4371.69,1117 4807.93,1117 5022.68,1331.75 5022.68,2492.32 4901.95,2613.05 4341.91,2613.05 v1(4244.96,2710)